# Altium PCB Reefing System Layout.PcbDoc (part 2 of 3)
Units mil, origin at the board's own origin, x right, y up, seen from the top; angles counter-clockwise.
Board outline 5531.5 x 3129.92 mil, 4 copper layers (Top Layer, Mid-Layer 1, Mid-Layer 2, Bottom Layer), stack 62.135 mil thick; 116 components, 90 nets, 494 pads, 985 vias.
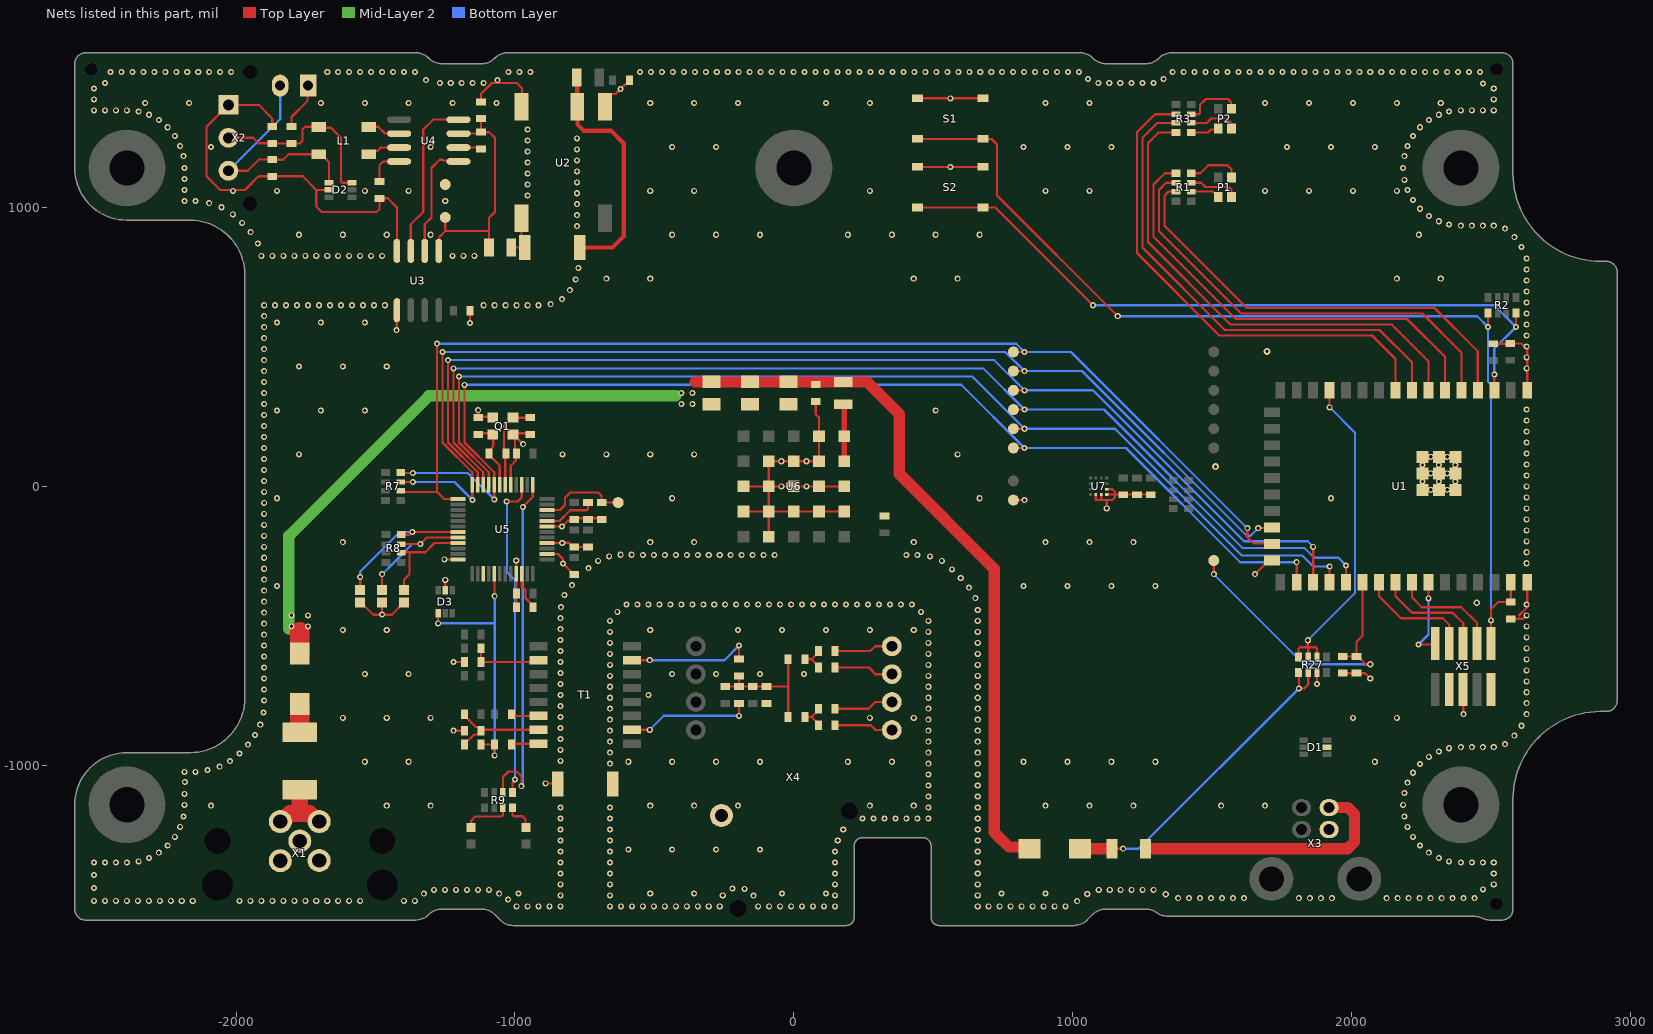
[diagram p4: the nets of this part, all layers, seen from the top]

## Via types
v1: diameter 21.65, hole 11.81, Top Layer to Bottom Layer, tented both sides, 902 vias
v2: diameter 24, hole 11.81, Top Layer to Bottom Layer, tented both sides, 80 vias
v3: diameter 24.41, hole 11.81, Top Layer to Bottom Layer, tented both sides, 3 vias

## Nets (pads, with @x,y where several pads share a name; then routed paths per layer and width w, separated by ;. In a path a pad name is that pad's centre, name@x,y a point inside that pad or via, vN(x,y) a via of type N, cw(c..) or ccw(c..) an arc to the next point about the centre after c; other vN are vias at no path point) (continued)
CAN_GND: C5.1 C6.1 C9.1 C11.1 D2.2 R6.2 TP15.1 U2.4 U3.4 U4.2 X2.1 | length 1914.5
  Top Layer w8: C5.1@-1870.08,1289.84 -1870.08,1318.9 -1919.29,1368.11 X2.1@-2027.56,1368.11 -2106.3,1289.37 -2106.3,1112.21 -2057.09,1062.99 -1968.5,1062.99 -1919.76,1111.73 C6.1@-1870.08,1111.73 -1761.34,1111.73 -1712.6,1062.99 ; D2.2@-1667.32,1062.99 -1712.6,1062.99 ; U3.4@-1423.43,844.49 -1423.43,1000.2 -1456.22,1032.99 R6.2@-1486.22,1032.99 -1486.22,994.1 -1496.06,984.25 -1692.91,984.25 -1712.6,1003.94 -1712.6,1062.99 ; U4.2@-1202.76,1215.16 -1127.05,1215.16 C11.1@-1122.05,1210.16 ; C9.1@-1122.05,1378.43 -1122.05,1407.48 -1082.68,1446.85 -994.09,1446.85 -974.41,1427.17 -974.41,1363.78 U2.4@-976.77,1361.42
  other v1: -1909.45,826.77 -1870.08,826.77 -1830.71,826.77 -1791.34,826.77 -1751.97,826.77 -1712.6,826.77 -1673.23,826.77 -1633.86,826.77 -1594.49,826.77 -1555.12,826.77 -1515.75,826.77 -1476.38,826.77 -1224.41,826.77 -1185.04,826.77 -1145.67,826.77 -1922.24,871.06 -1774.8,902.36 -1617.32,902.36 -1459.84,902.36 -1302.36,902.36 -1947.83,911.42 -1978.35,944.88 -2011.81,975.39 -2052.17,1000.98 -2096.46,1015.75 -2185.04,1023.62 -2145.67,1023.62 -1250,1023.62 -954.72,1043.31 -2011.02,1059.84 -1853.54,1059.84 -1538.58,1059.84 -1381.1,1059.84 -2185.04,1062.99 -954.72,1082.68 -2185.04,1102.36 -954.72,1122.05 -2185.04,1141.73 -954.72,1161.42 -2188.94,1183.99 -954.72,1200.79 -2089.76,1217.32 -1302.36,1217.32 -2200.77,1220.83 -954.72,1240.16 -2219.87,1256.56 -954.72,1279.53 -2245.58,1287.89 -2245.58,1287.89 -2276.9,1313.59 -2312.63,1332.69 -2349.48,1344.52 -2509.84,1348.43 -2470.47,1348.43 -2431.1,1348.43 -2391.73,1348.43 -2325.98,1374.8 -2168.5,1374.8 -1696.06,1374.8 -1538.58,1374.8 -1381.1,1374.8 -1223.62,1374.8 -1066.14,1374.8 -2509.84,1387.8 -2509.84,1427.17 -2470.47,1446.85 -1269.68,1446.85 -1230.31,1446.85 -1190.94,1446.85 -1151.57,1446.85 -1112.2,1446.85 -1318.9,1456.69 -1062.99,1456.69 -2450.79,1486.22 -2411.42,1486.22 -2372.05,1486.22 -2332.68,1486.22 -2293.31,1486.22 -2253.94,1486.22 -2214.57,1486.22 -2175.2,1486.22 -2135.83,1486.22 -2096.46,1486.22 -2057.09,1486.22 -2017.72,1486.22 -1673.23,1486.22 -1633.86,1486.22 -1594.49,1486.22 -1555.12,1486.22 -1515.75,1486.22 -1476.38,1486.22 -1437.01,1486.22 -1397.64,1486.22 -1358.27,1486.22 -1023.62,1486.22 -984.25,1486.22 -944.88,1486.22
CAN_VCC: C9.2 C11.2 L3.2 TP14.1 U3.1 U4.3 | length 878.2
  Top Layer w8: U3.1@-1273.43,844.49 -1272.56,845.35 -1272.56,892.79 -1250,915.36 ; TP14.1@-1250,964.57 -1250,915.36 ; U4.3@-1202.76,1265.16 -1127.05,1265.16 C11.2@-1122.05,1270.16 ; C9.2@-1122.05,1318.43 C11.2@-1122.05,1270.16 ; L3.2@-1093.15,856.3 -1093.15,915.36 ; -1250,915.36 -1093.15,915.36 ; C11.2@-1122.05,1270.16 -1121.57,1269.69 -1092.52,1269.69 -1071.87,1249.03 -1071.87,984.25 -1093.15,962.97 -1093.15,915.36
EGND: C26.1 C27.2 X4.9
  other v1: -659.45,-1505.91 -620.08,-1505.91 -580.71,-1505.91 -541.34,-1505.91 -501.97,-1505.91 -462.6,-1505.91 -423.23,-1505.91 -383.86,-1505.91 -344.49,-1505.91 -305.12,-1505.91 -265.75,-1505.91 -127.95,-1505.91 -88.58,-1505.91 -49.21,-1505.91 -9.84,-1505.91 29.53,-1505.91 68.9,-1505.91 108.27,-1505.91 147.64,-1505.91 -144.68,-1467.52 -659.45,-1466.54 -254.92,-1466.54 147.64,-1466.54 -514.96,-1459.84 -357.48,-1459.84 -42.52,-1459.84 114.96,-1459.84 -177.17,-1442.91 -220.47,-1441.93 -659.45,-1427.17 147.64,-1427.17 -659.45,-1387.8 147.64,-1387.8 -659.45,-1348.43 147.64,-1348.43 -659.45,-1309.06 147.64,-1309.06 -593.7,-1302.36 -436.22,-1302.36 -278.74,-1302.36 -121.26,-1302.36 -659.45,-1269.69 157.48,-1269.69 -659.45,-1230.32 177.17,-1230.32 -659.45,-1190.94 246.06,-1190.94 285.43,-1190.94 324.8,-1190.94 364.17,-1190.94 403.54,-1190.94 442.91,-1190.94 482.28,-1190.94 -659.45,-1151.57 482.28,-1151.57 -514.96,-1144.88 -357.48,-1144.88 -200,-1144.88 272.44,-1144.88 429.92,-1144.88 482.28,-1112.2 482.28,-1072.83 482.28,-1033.46 -659.45,-994.09 482.28,-994.09 -593.7,-987.4 -436.22,-987.4 -278.74,-987.4 -121.26,-987.4 193.7,-987.4 351.18,-987.4 -659.45,-954.72 482.28,-954.72 -659.45,-915.35 482.28,-915.35 -659.45,-875.98 482.28,-875.98 -659.45,-836.61 482.28,-836.61 272.44,-829.92 429.92,-829.92 -659.45,-797.24 482.28,-797.24 -659.45,-757.87 482.28,-757.87 -521.65,-748.03 -659.45,-718.5 482.28,-718.5 -659.45,-679.13 482.28,-679.13 -436.22,-672.44 -278.74,-672.44 -121.26,-672.44 36.22,-672.44 -659.45,-639.76 482.28,-639.76 -659.45,-600.39 482.28,-600.39 -659.45,-561.02 482.28,-561.02 -659.45,-521.65 482.28,-521.65 -514.96,-514.96 -200,-514.96 -42.52,-514.96 114.96,-514.96 272.44,-514.96 429.92,-514.96 -659.45,-482.28 482.28,-482.28 -632.87,-449.8 455.71,-449.8 -600.39,-423.23 -561.02,-423.23 -521.65,-423.23 -482.28,-423.23 -442.91,-423.23 -403.54,-423.23 -364.17,-423.23 -324.8,-423.23 -285.43,-423.23 -246.06,-423.23 -206.69,-423.23 -167.32,-423.23 -127.95,-423.23 -88.58,-423.23 -49.21,-423.23 -9.84,-423.23 29.53,-423.23 68.9,-423.23 108.27,-423.23 147.64,-423.23 187.01,-423.23 226.38,-423.23 265.75,-423.23 305.12,-423.23 344.49,-423.23 383.86,-423.23 423.23,-423.23
ETH_C\S\: R7.8 TP9.1 U1.28 U5.32 | length 4191.7
  Top Layer w8: R7.8@-1409.45,50.2 -1407.48,48.23 v1(-1366.14,48.23) ; v1(-1181.1,364.17) -1181.1,157.48 -1074.21,50.59 U5.32@-1074.21,5.99 -1074.02,5.79 -1074.02,-47.05 v1(-1073.82,-47.24) ; TP9.1@787.4,137.8 v1(826.77,137.8) ; U1.28@1803.15,-344.49 v1(1803.15,-271.65)
  Bottom Layer w8: v1(-1366.14,48.23) -1169.29,48.23 v1(-1073.82,-47.24) ; v1(-1181.1,364.17) 600.39,364.17 v1(826.77,137.8) 1190.95,137.8 1600.39,-271.65 v1(1803.15,-271.65)
ETH_I\N\T\: R7.7 TP7.1 U1.24 U5.36 | length 4158.3
  Top Layer w8: R7.7@-1409.45,15.75 v1(-1366.14,15.75) ; v1(-1259.84,482.28) -1259.84,157.48 -1152.95,50.59 U5.36@-1152.95,5.99 -1152.95,-47.83 v1(-1152.26,-48.52) ; TP7.1@787.4,413.39 v1(826.77,413.39) ; v1(1665.35,-149.61) 1712.6,-149.61 U1.24@1714.57,-147.64
  Bottom Layer w8: v1(-1366.14,15.75) -1216.54,15.75 v1(-1152.26,-48.52) ; v1(-1259.84,482.28) 757.87,482.28 v1(826.77,413.39) 1033.47,413.39 1624.02,-177.16 1637.8,-177.16 v1(1665.35,-149.61)
ETH_MISO: TP12.1 U1.31 U5.34 | length 4055.4
  Top Layer w8: v1(-1220.47,423.23) -1220.47,157.48 -1113.58,50.59 U5.34@-1113.58,5.99 ; TP12.1@787.4,275.59 v1(826.77,275.59) ; U1.31@1980.32,-344.49 v1(1980.32,-283.46)
  Bottom Layer w8: v1(-1220.47,423.23) 679.13,423.23 v1(826.77,275.59) 1112.2,275.59 1608.27,-220.47 1830.71,-220.47 1866.14,-255.9 1952.76,-255.9 v1(1980.32,-283.46)
ETH_MOSI: TP10.1 U1.29 U5.35 | length 4038
  Top Layer w8: v1(-1240.16,452.76) -1240.16,157.48 -1133.27,50.59 U5.35@-1133.27,5.99 ; TP10.1@787.4,344.49 v1(826.77,344.49) ; U1.29@1862.2,-344.49 v1(1862.2,-216.53)
  Bottom Layer w8: v1(-1240.16,452.76) 718.5,452.76 v1(826.77,344.49) 1072.83,344.49 1614.17,-196.85 1842.52,-196.85 v1(1862.2,-216.53)
ETH_R\S\T\: R7.6 TP8.1 U1.25 U5.37 | length 4108.4
  Top Layer w8: R7.6@-1409.45,-15.75 -1405.51,-19.68 -1279.53,-19.68 ; v1(-1279.53,511.81) -1279.53,-15.75 -1279.53,-19.68 ; U5.37@-1204.13,-45.2 -1254.02,-45.2 -1279.53,-19.68 ; TP8.1@787.4,482.28 v1@836.61,482.28 ; v1(1625.98,-149.61) 1625.98,-181.1 1649.61,-204.72 1712.6,-204.72 U1.25@1714.57,-206.69
  Bottom Layer w8: v1(-1279.53,511.81) 797.24,511.81 v1(826.77,482.28) 836.61,482.28 994.1,482.28 v1(1625.98,-149.61)
ETH_SCLK: TP11.1 U1.30 U5.33 | length 3932.6
  Top Layer w8: v1(-1200.79,393.7) -1200.79,157.48 -1093.9,50.59 U5.33@-1093.9,5.99 ; TP11.1@787.4,206.69 v1(826.77,206.69) ; U1.30@1921.26,-344.49 v1(1921.26,-287.4)
  Bottom Layer w8: v1(-1200.79,393.7) 639.76,393.7 v1(826.77,206.69) 1151.58,206.69 1606.3,-248.03 1822.83,-248.03 1862.2,-287.4 v1(1921.26,-287.4)
GND: C1.1 C2.1 C3.1 C4.1 C8.1 C10.1 C12.1 C13.1 C14.1 C15.1 C16.1 C17.1 C18.2 C19.2 C20.1 C21.1 C22.2 C24.2 C27.1 C28.1 C29.1 C30.1 C31.1 C32.1 C33.1 C34.1 C35.1 D1.2 D3.2 J2.1 J3.1 J4.1 Q1.3 R4.2 R11.1 R27.3 S1.2 S2.2 TP18.1 U1.1 U1.26 U1.42 U1.43 U2.1 U3.5 U5.3 U5.9 U5.14 U5.16 U5.19 U5.29 U5.48 U6.A3 U6.A4 U6.B1 U6.B2 U6.B3 U6.B4 U6.C2 U6.C3 U6.C4 U6.D2 U6.D3 U6.D4 U6.D5 U6.E3 U6.E4 U7.5 U7.6 U7.7 U7.8 X1.3 X1.4 X1.5 X3.4 X5.3 X5.5 X5.9 | length 5518.4
  Top Layer w8: J4.1@-1555.12,-415.7 -1541.4,-429.42 -1539.09,-429.42 -1508.5,-460 v1@-1475.73,-460 ; J3.1@-1480,-419.32 J3.1@-1476.38,-415.7 v1(-1476.38,-459.35) v1@-1475.73,-460 ; v1(-1425,560) -1424.21,560.79 -1424.21,631.1 U3.5@-1423.43,631.89 ; J2.1@-1397.64,-415.7 -1441.94,-460 v1@-1475.73,-460 ; v1@-1255,-260 v1(-1253.27,-261.73) U5.48@-1204.13,-261.73 ; D3.2@-1250,-372.05 v1@-1250,-335 ; v1(-1220.47,-875.98) C24.2@-1181.57,-875.98 ; v1(-1220.47,-629.92) C22.2@-1181.57,-629.92 ; v1(-1160.94,585.94) C10.1@-1160.94,629.92 ; C19.2@-1131.89,246.54 C19.2@-1131.89,250.08 ; v1(-1131.89,273.11) C19.2@-1131.89,250.08 ; Q1.3@-1078.15,250.08 C19.2@-1131.89,250.08 ; U5.29@-1015.16,5.99 -1015.16,74.05 -995.94,93.26 C16.1@-995.94,118.11 ; Q1.3@-1005.31,188.07 -1002.83,190.55 C18.2@-946.26,190.55 ; v1(-995.41,-265.41) -995.44,-312.88 -995.47,-432.16 R11.1@-994.57,-433.07 ; C16.1@-994.57,118.11 -1000,123.55 -1000,178.64 Q1.3@-1006.89,185.53 -1004.92,185.53 -995.94,176.55 -991.2,171.81 v1(-970.8,151.42) ; v1(-889.76,-1064.96) -848.43,-1064.96 C27.1@-846.46,-1066.93 ; U5.14@-885.24,-242.05 -846.1,-242.05 -827.83,-260.31 v1(-827.83,-276.31) -802.12,-302.03 -802.12,-302.92 -793.62,-311.42 C14.1@-788.62,-311.42 ; U5.16@-885.24,-202.68 v1(-830.47,-202.68) -829.8,-202 -807.41,-202 -792.4,-217.01 C12.1@-787.4,-217.01 C13.1@-738.19,-217.01 C13.1@-736.18,-215 ; U5.19@-885.24,-143.62 v1(-831.14,-143.62) -810.59,-123.07 -797.12,-123.07 -788.62,-114.57 C21.1@-690.2,-114.57 ; U2.1@-676.77,1361.42 -676.77,1386.42 -655.77,1407.42 -639.35,1407.42 v1(-621.47,1425.31) -603.58,1443.19 -598.58,1443.19 -590.08,1451.69 C8.1@-590.08,1456.69 ; U6.E4@-180.31,-90.16 U6.D4@-90.16,-90.16 ; U6.E3@-180.31,0 U6.D3@-90.16,0 ; U6.D5@-90.16,-180.31 U6.D4@-90.16,-90.16 ; C31.1@78.74,304.64 78.74,258.86 90.16,247.44 U6.B1@90.16,180.32 U6.B2@90.16,90.16 v1(45.08,90.16) U6.C2@0,90.16 v1(-45.08,90.16) U6.D2@-90.16,90.16 U6.D3@-90.16,0 ; U6.A4@180.32,-90.16 U6.B4@90.16,-90.16 U6.C4@0,-90.16 U6.D4@-90.16,-90.16 ; U6.A3@180.32,0 U6.B3@90.16,0 v1(45.08,0) U6.C3@0,0 v1(-45.08,0) U6.D3@-90.16,0 ; S2.2@442.91,1145.67 S2.2@679.13,1145.67 ; S1.2@442.91,1391.73 S1.2@679.13,1391.73 ; TP18.1@787.4,-49.21 v1(826.77,-49.21) ; U7.5@1082.68,-29.53 1082.68,-49.21 1102.36,-49.21 ; U7.6@1102.36,-29.53 1102.36,-49.21 ; v1(1122.05,-78.74) 1122.05,-49.21 ; U7.7@1122.05,-29.53 1151.57,-29.53 ; U7.8@1122.05,-9.84 1141.73,-9.84 1151.57,-19.68 1151.57,-29.53 ; C34.1@1279.53,-30 1279.06,-29.53 1151.57,-29.53 ; v1(1653.55,-314.96) 1702.76,-265.75 U1.26@1714.57,-265.75 ; v1(1875.98,-708.91) R27.3@1875.98,-667.32 ; C3.1@1968.5,-669.76 R4.2@2017.72,-669.76 2047.72,-669.76 v1(2066.93,-688.98) ; X5.5@2400,-728.35 2400,-815.35 v1(2401.57,-816.93) ; C1.1@2507.67,511.46 2568.07,511.46 C2.1@2568.9,512.28 2608.27,512.28 2629.92,490.63 U1.1@2629.92,344.49 ; C4.1@2570.87,-474.88 2615.06,-474.88 2627.35,-462.6 v1(2627.95,-462.6) ; 2600.61,-463.07 2629.92,-433.76 U1.42@2629.92,-344.49 ; U6.D4@-90.16,-90.16 U6.D3@-90.16,0 ; 1102.36,-49.21 1122.05,-49.21 ; 1122.05,-49.21 1141.73,-49.21 1151.57,-39.37 1151.57,-29.53 ; U1.43@2253.94,46.85 U1.43@2253.94,17.32 U1.43@2253.94,-12.2 U1.43@2283.46,-12.2 U1.43@2312.99,-12.2 ; U1.43@2253.94,46.85 U1.43@2253.94,76.38 U1.43@2253.94,105.91 U1.43@2283.46,105.91 U1.43@2312.99,105.91 ; U1.43@2253.94,46.85 U1.43@2283.46,46.85 U1.43@2312.99,46.85 ; U1.43@2312.99,-12.2 U1.43@2312.99,17.32 U1.43@2312.99,46.85 ; U1.43@2312.99,-12.2 U1.43@2342.52,-12.2 U1.43@2372.05,-12.2 U1.43@2372.05,17.32 U1.43@2372.05,46.85 ; U1.43@2312.99,46.85 U1.43@2312.99,76.38 U1.43@2312.99,105.91 ; U1.43@2312.99,46.85 U1.43@2342.52,46.85 U1.43@2372.05,46.85 ; U1.43@2312.99,105.91 U1.43@2342.52,105.91 U1.43@2372.05,105.91 U1.43@2372.05,76.38 U1.43@2372.05,46.85
  other v1: -994.09,-1505.91 -954.72,-1505.91 -915.35,-1505.91 -875.98,-1505.91 -836.61,-1505.91 659.45,-1505.91 698.82,-1505.91 738.19,-1505.91 777.56,-1505.91 816.93,-1505.91 856.3,-1505.91 895.67,-1505.91 935.04,-1505.91 974.41,-1505.91 1015.75,-1487.2 -2509.84,-1486.22 -2470.47,-1486.22 -2431.1,-1486.22 -2391.73,-1486.22 -2352.36,-1486.22 -2312.99,-1486.22 -2273.62,-1486.22 -2234.25,-1486.22 -2194.88,-1486.22 -2155.51,-1486.22 -1988.19,-1486.22 -1948.82,-1486.22 -1909.45,-1486.22 -1870.08,-1486.22 -1830.71,-1486.22 -1791.34,-1486.22 -1751.97,-1486.22 -1712.6,-1486.22 -1673.23,-1486.22 -1633.86,-1486.22 -1594.49,-1486.22 -1555.12,-1486.22 -1398.48,-1486.22 -1359.11,-1486.22 -1024.61,-1481.3 1377.95,-1476.38 1417.32,-1476.38 1456.69,-1476.38 1496.06,-1476.38 1535.43,-1476.38 1574.8,-1476.38 1614.17,-1476.38 1811.02,-1476.38 1850.39,-1476.38 1889.76,-1476.38 1929.13,-1476.38 2125.98,-1476.38 2165.35,-1476.38 2204.72,-1476.38 2244.09,-1476.38 2283.46,-1476.38 2322.83,-1476.38 2362.2,-1476.38 2401.57,-1476.38 2440.94,-1476.38 -836.61,-1466.54 659.45,-1466.54 1333.66,-1462.6 1052.17,-1461.61 -1326.77,-1460.63 -1056.81,-1460.63 -987.4,-1459.84 744.88,-1459.84 902.36,-1459.84 -1290.21,-1446.85 -1250.84,-1446.85 -1211.47,-1446.85 -1172.1,-1446.85 -1132.73,-1446.85 -1093.36,-1446.85 1093.36,-1446.85 1132.73,-1446.85 1172.1,-1446.85 1211.47,-1446.85 1250.84,-1446.85 1290.21,-1446.85 2471.46,-1444.88 -2509.84,-1439.96 -836.61,-1427.17 659.45,-1427.17 2509.84,-1427.17 -2509.84,-1393.7 -836.61,-1387.8 659.45,-1387.8 2509.84,-1387.8 -2509.84,-1348.43 -2470.47,-1348.43 -2431.1,-1348.43 -2391.73,-1348.43 -836.61,-1348.43 659.45,-1348.43 2391.73,-1348.43 2431.1,-1348.43 2470.47,-1348.43 2509.84,-1348.43 -2349.48,-1344.52 2349.48,-1344.52 -2312.63,-1332.69 2312.63,-1332.69 -2276.9,-1313.59 2276.9,-1313.59 -836.61,-1309.06 659.45,-1309.06 -2245.58,-1287.89 -2245.58,-1287.89 2245.58,-1287.89 2245.58,-1287.89 -836.61,-1269.69 659.45,-1269.69 -2219.87,-1256.56 2219.87,-1256.56 -836.61,-1230.32 659.45,-1230.32 -2200.77,-1220.83 2200.77,-1220.83 -836.61,-1190.94 659.45,-1190.94 -2188.94,-1183.99 2188.94,-1183.99 -836.61,-1151.57 659.45,-1151.57 -2089.76,-1144.88 -1459.84,-1144.88 -1302.36,-1144.88 902.36,-1144.88 1059.84,-1144.88 1217.32,-1144.88 1532.28,-1144.88 1689.76,-1144.88 -2185.04,-1141.73 2185.04,-1141.73 659.45,-1112.2 -2185.04,-1102.36 2188.94,-1099.48 659.45,-1072.83 2200.77,-1062.64 -2183.93,-1060.37 659.45,-1033.46 2219.87,-1026.9 -2185.04,-1023.62 -2145.67,-1023.62 -2102.36,-1016.73 -2059.06,-1004.92 2245.58,-995.58 2245.58,-995.58 659.45,-994.09 -1538.58,-987.4 -1381.1,-987.4 823.62,-987.4 981.1,-987.4 1138.58,-987.4 1296.06,-987.4 2083.46,-987.4 -2021.65,-985.24 -836.61,-984.25 2276.9,-969.87 -1988.19,-957.68 659.45,-954.72 2312.63,-950.77 -836.61,-944.88 2349.48,-938.94 2391.73,-935.04 2431.1,-935.04 2470.47,-935.04 2509.84,-935.04 -1957.68,-926.18 2550.2,-924.21 659.45,-915.35 -836.61,-905.51 2583.66,-893.7 -1932.09,-891.73 659.45,-875.98 -836.61,-866.14 2609.25,-858.27 -1913.39,-854.33 659.45,-836.61 -1617.32,-829.92 -1459.84,-829.92 -1302.36,-829.92 2004.72,-829.92 2162.2,-829.92 -836.61,-826.77 2627.95,-816.93 -1901.57,-811.02 659.45,-797.24 -836.61,-787.4 2627.95,-777.56 -1899.61,-767.72 659.45,-757.87 -836.61,-748.03 2627.95,-738.19 -1899.61,-728.35 659.45,-718.5 -836.61,-708.66 2627.95,-698.82 -1899.61,-688.98 659.45,-679.13 -1538.58,-672.44 -1381.1,-672.44 -836.61,-669.29 2627.95,-659.45 -1899.61,-649.61 659.45,-639.76 -836.61,-629.92 2627.95,-620.08 -1899.61,-610.24 659.45,-600.39 -836.61,-590.55 2627.95,-580.71 -1899.61,-570.87 659.45,-561.02 -836.61,-551.18 2627.95,-541.34 -1899.61,-531.5 659.45,-521.65 -1617.32,-514.96 -1459.84,-514.96 -836.61,-511.81 2627.95,-501.97 -1899.61,-492.13 659.45,-482.28 -836.61,-472.44 -1899.61,-452.76 659.45,-442.91 -834.65,-433.07 2627.95,-423.23 -1899.61,-413.39 650.59,-400.59 -822.83,-389.76 -1899.61,-374.02 627.95,-363.19 -1853.54,-357.48 823.62,-357.48 981.1,-357.48 1138.58,-357.48 1296.06,-357.48 -795.28,-354.33 -1250,-335 -1899.61,-334.65 598.43,-328.74 566.93,-297.24 -1899.61,-295.28 -736.23,-293.32 2627.95,-275.59 -701.77,-266.73 530.51,-266.73 -1899.61,-255.91 -662.4,-250.98 488.19,-250.98 -541.34,-246.06 -501.97,-246.06 -462.6,-246.06 -423.23,-246.06 -383.86,-246.06 -344.49,-246.06 -305.12,-246.06 -265.75,-246.06 -226.38,-246.06 -187.01,-246.06 -147.64,-246.06 -108.27,-246.06 -68.9,-246.06 403.54,-246.06 442.91,-246.06 -621.06,-245.08 -581.69,-245.08 2627.95,-236.22 -1899.61,-216.54 -1617.32,-200 -514.96,-200 -357.48,-200 429.92,-200 902.36,-200 1059.84,-200 1217.32,-200 2627.95,-196.85 -1899.61,-177.17 2627.95,-157.48 -1899.61,-137.8 2627.95,-118.11 -1899.61,-98.43 2627.95,-78.74 -1899.61,-59.06 -1853.54,-42.52 -436.22,-42.52 666.14,-42.52 1925.98,-42.52 2627.95,-39.37 -1899.61,-19.69 2627.95,0 -1899.61,19.68 2627.95,39.37 -1899.61,59.05 2627.95,78.74 -1899.61,98.42 -1774.8,114.96 -829.92,114.96 -672.44,114.96 -514.96,114.96 -357.48,114.96 587.4,114.96 2627.95,118.11 -1899.61,137.8 2627.95,157.48 -1899.61,177.17 2627.95,196.85 -1899.61,216.54 2627.95,236.22 -1899.61,255.91 -1853.54,272.44 -1696.06,272.44 -1538.58,272.44 508.66,272.44 2627.95,275.59 -1899.61,295.28 -1899.61,334.65 -1899.61,374.02 -1899.61,413.39 2627.95,423.23 -1774.8,429.92 -1617.32,429.92 -1459.84,429.92 -1899.61,452.76 2627.95,462.6 -1899.61,492.13 2627.95,501.97 -1899.61,531.5 2627.95,541.34 -1899.61,570.87 2627.95,580.71 -1853.54,587.4 -1696.06,587.4 -1538.58,587.4 -1899.61,610.24 2627.95,620.08 -1899.61,649.61 -1860.24,649.61 -1820.87,649.61 -1781.5,649.61 -1742.13,649.61 -1702.76,649.61 -1663.39,649.61 -1624.02,649.61 -1584.65,649.61 -1545.28,649.61 -1505.91,649.61 -1466.54,649.61 -1112.2,649.61 -1072.83,649.61 -1033.46,649.61 -994.09,649.61 -954.72,649.61 -915.35,649.61 -872.05,653.54 2627.95,659.45 -831.69,671.26 2627.95,698.82 -803.15,703.74 2627.95,738.19 -782.48,742.13 -672.44,744.88 -514.96,744.88 429.92,744.88 587.4,744.88 2162.2,744.88 2319.68,744.88 2627.95,777.56 -772.64,783.46 2627.95,816.93 2609.25,858.27 2583.66,893.7 -436.22,902.36 -278.74,902.36 -121.26,902.36 193.7,902.36 351.18,902.36 508.66,902.36 666.14,902.36 2240.94,902.36 2550.2,924.21 -777.56,933.07 2391.73,935.04 2431.1,935.04 2470.47,935.04 2509.84,935.04 2349.48,938.94 2312.63,950.77 2276.9,969.87 -777.56,972.44 2245.58,995.58 2245.58,995.58 -777.56,1011.81 2219.87,1026.9 -777.56,1051.18 -514.96,1059.84 -357.48,1059.84 272.44,1059.84 902.36,1059.84 1059.84,1059.84 1689.76,1059.84 1847.24,1059.84 2004.72,1059.84 2162.2,1059.84 2200.77,1062.63 -777.56,1090.55 2188.94,1099.48 -777.56,1129.92 2185.04,1141.73 561.02,1145.67 -777.56,1169.29 2188.94,1183.98 -777.56,1208.66 -436.22,1217.32 -278.74,1217.32 823.62,1217.32 981.1,1217.32 1138.58,1217.32 1768.5,1217.32 1925.98,1217.32 2083.46,1217.32 2200.77,1220.83 -777.56,1248.03 2219.87,1256.56 2245.58,1287.88 2245.58,1287.88 2276.9,1313.59 2312.63,1332.69 2349.48,1344.52 2391.73,1348.42 2431.1,1348.42 2470.47,1348.42 2509.84,1348.42 -514.96,1374.8 -357.48,1374.8 -200,1374.8 114.96,1374.8 272.44,1374.8 902.36,1374.8 1059.84,1374.8 1689.76,1374.8 1847.24,1374.8 2004.72,1374.8 2162.2,1374.8 2319.68,1374.8 2509.84,1387.79 561.02,1391.73 2509.84,1427.16 2471.46,1444.88 1091.68,1446.85 1131.05,1446.85 1170.42,1446.85 1210.63,1446.85 1250,1446.85 1289.37,1446.85 1055.12,1460.63 1325.93,1460.63 -552.03,1486.22 -512.66,1486.22 -473.29,1486.22 -433.92,1486.22 -394.55,1486.22 -355.17,1486.22 -315.8,1486.22 -276.43,1486.22 -237.06,1486.22 -197.69,1486.22 -158.32,1486.22 -118.95,1486.22 -79.58,1486.22 -40.21,1486.22 -0.84,1486.22 38.53,1486.22 77.9,1486.22 117.27,1486.22 156.64,1486.22 196.01,1486.22 235.38,1486.22 274.75,1486.22 314.12,1486.22 353.49,1486.22 392.86,1486.22 432.23,1486.22 471.6,1486.22 510.97,1486.22 550.34,1486.22 589.71,1486.22 629.08,1486.22 668.45,1486.22 707.82,1486.22 747.19,1486.22 786.56,1486.22 825.93,1486.22 865.3,1486.22 904.67,1486.22 944.04,1486.22 983.41,1486.22 1022.78,1486.22 1358.27,1486.22 1397.64,1486.22 1437.01,1486.22 1476.38,1486.22 1515.75,1486.22 1555.12,1486.22 1594.49,1486.22 1633.86,1486.22 1673.23,1486.22 1712.6,1486.22 1751.97,1486.22 1791.34,1486.22 1830.71,1486.22 1870.08,1486.22 1909.45,1486.22 1948.82,1486.22 1988.19,1486.22 2027.56,1486.22 2066.93,1486.22 2106.3,1486.22 2145.67,1486.22 2185.04,1486.22 2224.41,1486.22 2263.78,1486.22 2303.15,1486.22 2342.52,1486.22 2381.89,1486.22 2421.26,1486.22 2460.63,1486.22
  other v3: 2448.82,-417.32 1511.81,70.87 1696.85,484.25
JTAG_NRST: C4.2 R2.5 S1.1 U1.41 X5.10 | length 3813.7
  Top Layer w8: S1.1@442.91,1246.06 S1.1@679.13,1246.06 708.66,1246.06 728.35,1226.38 728.35,1043.31 v1(1161.42,610.24) ; v1(2489.17,571.85) R2.5@2489.17,622.05 ; X5.10@2500,-562.99 v1(2500,-480.31) 2500,-440.94 2526.06,-414.88 C4.2@2570.87,-414.88 U1.41@2570.87,-344.49
  Bottom Layer w8: v1(1161.42,610.24) 2450.79,610.24 v1(2489.17,571.85) 2489.17,375 2500,364.17 v1(2500,-480.31)
JTAG_TCLK: U1.33 X5.4 | length 410.3
  Top Layer w8: U1.33@2098.43,-344.49 2098.43,-393.7 2177.17,-472.44 2326.77,-472.44 2350,-495.67 X5.4@2350,-562.99
JTAG_TDI: U1.35 X5.8 | length 398.2
  Top Layer w8: U1.35@2216.54,-344.49 2216.54,-397.64 2251.97,-433.07 2393.7,-433.07 2450,-489.37 X5.8@2450,-562.99
JTAG_TDO: U1.34 X5.6 | length 404.3
  Top Layer w8: U1.34@2157.48,-344.49 2157.48,-393.7 2216.54,-452.75 2362.2,-452.75 2400,-490.55 X5.6@2400,-562.99
JTAG_TMS: U1.36 X5.2 | length 298.6
  Top Layer w8: v1(2240.16,-566.93) 2296.06,-566.93 X5.2@2300,-562.99 ; v1(2275.59,-401.57) U1.36@2275.59,-344.49
  Bottom Layer w8: v1(2240.16,-566.93) 2275.59,-531.5 v1(2275.59,-401.57)
NetC3_2: C3.2 R4.1 TP13.1 U1.32 | length 1128.2
  Top Layer w8: v1(1505.91,-314.96) TP13.1@1505.91,-265.75 ; C3.2@1968.5,-609.76 R4.1@2017.72,-609.76 ; U1.32@2039.37,-344.49 2039.37,-535.43 2017.72,-557.09 R4.1@2017.72,-609.76 ; v1(2066.93,-637.79) 2050.75,-637.79 2022.72,-609.76 R4.1@2017.72,-609.76
  Bottom Layer w8: v1(1505.91,-314.96) 1828.74,-637.79 v1(2066.93,-637.79)
NetC5_2: C5.2 D2.6 L1.2 R5.2 X2.2 | length 674
  Top Layer w8: X2.2@-2027.56,1250 -1938.98,1250 -1919.29,1230.31 -1870.55,1230.31 C5.2@-1870.08,1229.84 R5.2@-1801.18,1229.84 -1772.13,1229.84 -1761.81,1240.16 -1761.81,1279.53 -1751.97,1289.37 L1.2@-1703.74,1289.37 -1700.36,1285.99 -1660.01,1285.99 -1624.02,1250 -1624.02,1093.27 -1619.33,1088.58 D2.6@-1584.65,1088.58
NetC6_2: C6.2 D2.1 J1.2 L1.3 X2.3 | length 853.2
  Top Layer w8: X2.3@-2027.56,1131.89 -1958.66,1131.89 -1918.82,1171.73 C6.2@-1870.08,1171.73 -1869.61,1171.26 -1830.71,1171.26 -1811.02,1190.95 L1.3@-1703.74,1190.95 -1690.02,1177.23 -1681.15,1177.23 -1667.32,1163.4 D2.1@-1667.32,1088.58
  Bottom Layer w8: X2.3@-2027.56,1131.89 -1842.13,1317.32 J1.2@-1842.13,1437.01
NetC7_1: C7.1 L2.2 U2.2 | length 871.9
  Top Layer w15: L2.2@-778.19,1466.54 -776.77,1465.12 U2.2@-776.77,1361.42 -776.15,1360.79 -776.15,1297.7 -754.04,1275.59 -655.51,1275.59 -610.24,1230.31 -610.24,895.67 -649.61,856.3 C7.1@-767.72,856.3
NetC7_2: C7.2 L3.1 U2.5 | length 174.9
  Top Layer w8: L3.1@-1013.15,856.3 C7.2@-964.57,856.3 -976.77,868.5 U2.5@-976.77,961.42 U2.5@-988.19,950
NetC18_1: C18.1 Q1.1 R10.1 U5.30 | length 321.2
  Top Layer w8: U5.30@-1034.84,5.99 -1034.84,116.26 R10.1@-1032.99,118.11 ; R10.1@-1034.84,118.11 -1039.37,122.64 -1039.37,217.03 -1008.86,247.54 -1007.85,246.54 C18.1@-944.88,246.54
NetC19_1: C19.1 Q1.2 R10.2 U5.31 | length 260.9
  Top Layer w8: C19.1@-1133.27,190.55 -1080.63,190.55 -1078.15,188.07 -1078.15,143.35 -1094.37,127.13 R10.2@-1094.37,118.11 ; R10.2@-1092.99,118.11 -1092.99,113.11 -1054.53,74.65 U5.31@-1054.53,5.99
NetC20_2: C20.2 U5.20 | length 189.8
  Top Layer w8: U5.20@-885.24,-123.94 -840.47,-123.94 -801.85,-85.31 -742.52,-85.31 -737.83,-80.63 C20.2@-737.83,-56.14
NetC21_2: C21.2 TP16.1 U5.22 | length 321.6
  Top Layer w8: U5.22@-885.24,-84.57 -838.57,-84.57 -821,-67 -821,-41 -802.31,-22.31 -700.83,-22.31 -689.83,-33.31 -689.83,-54.2 C21.2@-690.2,-54.57 ; C21.2@-688.98,-58.58 -688.39,-58 TP16.1@-630,-58
NetC22_1: C22.1 R14.1 T1.2 | length 258.1
  Top Layer w8: R14.1@-1121.57,-580.71 C22.1@-1121.57,-629.92 -922.44,-629.92 T1.2@-915.55,-623.03
NetC23_2: C23.2 T1.6 | length 100.7
  Top Layer w8: C23.2@-1015,-820 -1011.97,-823.03 T1.6@-915.55,-823.03
NetC24_1: C24.1 R20.1 R24.2 T1.7 | length 383.8
  Top Layer w8: R24.2@-1181.57,-925.2 -1181.57,-920.2 -1173.07,-911.7 -1168.07,-911.7 -1145.86,-889.48 -1130.07,-889.48 -1121.57,-880.98 C24.1@-1121.57,-875.98 ; R20.1@-1181.57,-816.93 -1181.57,-821.93 -1141.02,-862.48 -1130.07,-862.48 -1121.57,-870.98 C24.1@-1121.57,-875.98 ; T1.7@-915.55,-873.03 -1118.62,-873.03 C24.1@-1121.57,-875.98
NetC25_2: C25.2 T1.8 | length 97.5
  Top Layer w8: C25.2@-1013.03,-923.03 T1.8@-915.55,-923.03
NetC26_2: C26.2 R16.2 R18.1 R19.1 R22.2 R25.2 R26.2 | length 473.3
  Top Layer w8: R19.1@-246.06,-718.03 R25.2@-196.85,-718.03 ; R18.1@-196.85,-679.61 R25.2@-196.85,-718.03 ; -21.4,-718.03 -22.64,-718.03 ; R16.2@-20.16,-826.77 -20.16,-715.55 ; R22.2@-20.16,-620.08 -20.16,-715.55 ; R25.2@-196.85,-718.03 R26.2@-147.64,-718.03 C26.2@-98.43,-718.03 -22.64,-718.03 ; -22.64,-718.03 -20.16,-715.55
NetC28_2: C28.2 C29.2 C30.2 C31.2 D4.K D5.K L4.1 | length 4578.5
  Top Layer w40: -354.33,374.65 C30.2@-295.28,374.65 L4.1@177.16,374.65 263.15,374.65 377.95,259.84 377.95,45.28 718.5,-295.28 718.5,-1240.16 771.2,-1292.85 838.12,-1292.85 D5.K@844.49,-1299.21
  Top Layer w70: D4.K@-1771.65,-598.42 -1771.65,-521.65
  Mid-Layer 2 w40: -1811.02,-511.81 -1811.02,-177.16 -1309.06,324.8 -423.23,324.8
  other v1: -1801.51,-501.64 -1742.45,-501.64 -1801.51,-462.27 -1742.45,-462.27 -403.54,295.28 -364.17,295.28 -403.54,334.65 -364.17,334.65
NetD4_A: D4.A F1.2 | length 101.8
  Top Layer w70: F1.2@-1771.65,-881.3 D4.A@-1771.65,-779.53
NetD5_A: D5.A F2.2 R27.1 R27.2 | length 1163.5
  Top Layer w8: D5.A@1025.59,-1299.21 D5.A@1062.99,-1299.21 ; F2.2@1140.79,-1299.21 v1(1181.1,-1299.21) ; R27.1@1810.04,-667.32 1811.02,-668.31 v1(1811.02,-724.41) 1830.71,-724.41 1844.49,-710.63 R27.2@1844.49,-667.32
  Top Layer w40: D5.A@1062.99,-1299.21 F2.2@1140.79,-1299.21
  Bottom Layer w8: v1(1181.1,-1299.21) 1236.22,-1299.21 v1(1811.02,-724.41)
NetF1_1: F1.1 X1.1 X1.2 | length 249.2
  Top Layer w60: X1.1@-1841.34,-1201.97 -1835.2,-1201.97 -1806.4,-1173.17 -1771.65,-1173.17 ; F1.1@-1771.65,-1087.2 -1771.65,-1173.17 ; X1.2@-1701.97,-1201.97 -1708.1,-1201.97 -1736.9,-1173.17 -1771.65,-1173.17
NetF2_1: F2.1 X3.1 | length 959.8
  Top Layer w40: F2.1@1260.79,-1299.21 1457.64,-1299.21 1789.37,-1299.21 1986.22,-1299.21 2009.84,-1275.59 2009.84,-1175.01 1986.41,-1151.57 1919.69,-1151.57 X3.1@1919.29,-1151.97
NetJ1_1: J1.1 R5.1 | length 181.2
  Top Layer w8: R5.1@-1801.18,1289.84 -1801.18,1324.8 -1744.43,1381.56 -1744.43,1411.48 J1.1@-1718.9,1437.01
NetJ2_2: J2.2 R8.6 U5.45 | length 361.7
  Top Layer w8: R8.6@-1407.48,-238.19 -1405.51,-236.22 -1377.95,-236.22 ; J2.2@-1397.64,-371.7 -1397.64,-334.64 -1377.95,-314.96 -1377.95,-236.22 ; U5.45@-1204.13,-202.68 -1288.31,-202.68 -1321.85,-236.22 -1377.95,-236.22
NetJ3_2: J3.2 R8.7 U5.44 | length 451.6
  Top Layer w8: J3.2@-1476.38,-371.7 v1(-1476.38,-314.96) ; R8.7@-1407.48,-206.69 v1(-1339.57,-206.69) -1315.94,-183.07 -1204.21,-183.07 U5.44@-1204.13,-182.99
  Bottom Layer w8: v1(-1476.38,-314.96) -1437.67,-276.26 -1368.11,-206.69 v1(-1339.57,-206.69)
NetJ4_2: J4.2 R8.8 U5.43 | length 523
  Top Layer w8: J4.2@-1555.12,-371.7 v1(-1555.12,-324.8) ; R8.8@-1407.48,-172.24 -1406.5,-173.23 -1377.95,-173.23 v1(-1368.03,-163.31) U5.43@-1204.13,-163.31
  Bottom Layer w8: v1@-1555.12,-327.56 -1555.12,-305.12 -1413.31,-163.31 v1(-1368.03,-163.31)
NetL1_1: L1.1 U4.6 | length 95.5
  Top Layer w8: L1.1@-1500.49,1289.37 -1490.15,1289.37 -1465.94,1265.16 U4.6@-1415.35,1265.16 ; U4.6@-1415.35,1260.47 U4.6@-1415.04,1260.47
NetL1_4: L1.4 U4.7 | length 95.8
  Top Layer w8: L1.4@-1504.92,1200.84 -1502.03,1203.73 -1492.13,1203.73 -1480.71,1215.16 U4.7@-1415.35,1215.16 ; U4.7@-1415.35,1210.47 U4.7@-1415.04,1210.47
NetL4_2: L4.2 U6.A1 U6.A2 | length 204.5
  Top Layer w20: U6.A2@180.32,90.16 U6.A1@180.32,180.32 L4.2@180.32,294.65
NetP1_1: P1.1 R1.6 | length 105.8
  Top Layer w8: R1.6@1425.2,1057.09 1501.97,1057.09 1507.94,1051.12 1509.9,1051.12 1521.65,1039.37 P1.1@1521.65,1037.4
NetP1_2: P1.2 R1.7 | length 181.1
  Top Layer w8: R1.7@1425.2,1088.58 1460.63,1088.58 1475.84,1073.37 1560.54,1073.37 1568.9,1065.01 P1.2@1568.9,1037.4
NetP1_3: P1.3 R1.8 | length 195.5
  Top Layer w8: R1.8@1425.2,1123.03 1457.68,1123.03 1486.22,1151.57 1555.12,1151.57 1568.9,1137.8 P1.3@1568.9,1108.27 P1.3@1565.54,1111.63
NetP2_1: P2.1 R3.5 | length 102.6
  Top Layer w8: R3.5@1425.2,1268.7 1485.24,1268.7 1496.06,1279.53 1517.72,1279.53 P2.1@1521.65,1283.46
NetP2_2: P2.2 R3.6 | length 177.6
  Top Layer w8: R3.6@1425.2,1303.15 1480.31,1303.15 1496.06,1318.9 1555.12,1318.9 1564.96,1309.06 1564.96,1287.4 P2.2@1568.9,1283.46
NetP2_3: P2.3 R3.7 | length 211
  Top Layer w8: R3.7@1425.2,1334.65 1452.01,1334.64 1456.69,1339.33 1456.69,1355.53 1456.69,1368.11 1477.95,1389.37 1490.54,1389.37 1556.54,1389.37 1567.54,1378.37 1567.54,1355.69 P2.3@1568.9,1354.33
NetP3_K: P3.K R9.8 | length 109.1
  Top Layer w8: R9.8@-1008.86,-1152.56 -1008.86,-1177.99 -1004.17,-1182.68 -973.05,-1182.68 -962.05,-1193.68 -962.05,-1222 P3.K@-960.63,-1223.42
NetP4_K: P4.K R9.7 | length 172.8
  Top Layer w8: P4.K@-1157.48,-1223.42 -1157.05,-1223 -1157.05,-1198.68 -1142.43,-1184.05 -1049.21,-1184.05 -1043.31,-1178.15 R9.7@-1043.31,-1152.56
NetR1_1: R1.1 U1.6 | length 1628.4
  Top Layer w8: R1.1@1370.08,1123.03 1329.72,1123.03 1289.37,1082.68 1289.37,895.67 1584.65,600.39 2198.82,600.39 2334.65,464.57 U1.6@2334.65,344.49
NetR1_2: R1.2 U1.5 | length 1619.9
  Top Layer w8: R1.2@1370.08,1088.58 1334.65,1088.58 1309.06,1062.99 1309.06,915.35 1604.33,620.08 2253.94,620.08 2393.7,480.32 U1.5@2393.7,344.49
NetR1_3: R1.3 U1.4 | length 1605.4
  Top Layer w8: R1.3@1370.08,1057.09 1343.27,1057.09 1328.74,1042.56 1328.74,935.04 1624.02,639.76 2297.24,639.76 2452.76,484.25 U1.4@2452.76,344.49
NetR2_8: R2.8 S2.1 U1.3 | length 2633.8
  Top Layer w8: S2.1@442.91,1000 S2.1@679.13,1000 722.44,1000 v1(1072.83,649.61) ; U1.3@2511.81,344.49 v1(2511.81,401.57) ; v1(2589.57,571.85) R2.8@2589.57,622.05
  Bottom Layer w8: v1(1072.83,649.61) 2511.81,649.61 v1(2589.57,571.85) 2511.81,494.1 v1(2511.81,401.57)
NetR3_2: R3.2 U1.9 | length 1796.5
  Top Layer w8: R3.2@1370.08,1334.65 1295.27,1334.64 1230.32,1269.69 1230.32,836.61 1525.59,541.34 2072.83,541.34 2157.48,456.69 U1.9@2157.48,344.49
NetR3_3: R3.3 U1.8 | length 1773.1
  Top Layer w8: R3.3@1370.08,1303.15 1303.15,1303.15 1250,1250 1250,856.3 1545.28,561.02 2100.39,561.02 2216.54,444.88 U1.8@2216.54,344.49
NetR3_4: R3.4 U1.7 | length 1757.8
  Top Layer w8: R3.4@1370.08,1268.7 1308.07,1268.7 1269.69,1230.31 1269.69,875.98 1564.96,580.71 2143.7,580.71 2275.59,448.82 U1.7@2275.59,344.49
NetR6_1: R6.1 U4.8 | length 135.1
  Top Layer w8: R6.1@-1486.22,1092.99 -1486.22,1151.58 -1472.64,1165.16 U4.8@-1415.35,1165.16
NetR9_1: R9.1 U5.27 | length 1168
  Top Layer w8: v1(-1030,-54) -990,-54 -976,-40 -976,5.77 U5.27@-975.79,5.99 ; R9.1@-1007.05,-1095.64 R9.1@-1008.86,-1097.44 -1008.86,-1063.55 -1000,-1054.69 v1(-1000,-1051)
  Bottom Layer w8: v1(-1030,-54) -1029,-55 -1029,-308 -1000,-337 v1(-1000,-1051)
NetR9_2: R9.2 U5.25 | length 1271.2
  Top Layer w8: R9.2@-1043.05,-1097.19 R9.2@-1043.31,-1097.44 -1043.31,-1041.99 -1023.31,-1022 -994,-1022 -977,-1039 v1(-977,-1075) ; v1(-972,-74) -936.42,-38.42 U5.25@-936.42,5.99
  Bottom Layer w8: v1(-977,-1075) -977,-1071.31 -972,-1066.31 v1(-972,-74)
NetR11_2: R11.2 U5.10 | length 137.2
  Top Layer w8: U5.10@-975.79,-312.91 -975.79,-358 -962.6,-371.19 -962.6,-400.04 -934.57,-428.07 R11.2@-934.57,-433.07
NetR15_1: R15.1 X4.4 | length 210.3
  Top Layer w8: R15.1@148.11,-856.3 276.12,-856.3 293.05,-873.23 X4.4@351.38,-873.23
NetR15_2: R15.2 R16.1 R17.2 | length 103.5
  Top Layer w8: R16.1@39.84,-826.77 65.94,-826.77 ; R15.2@88.11,-856.3 88.11,-851.3 65.94,-829.13 65.94,-826.77 ; R17.2@88.11,-797.24 88.11,-802.24 65.94,-824.41 65.94,-826.77
NetR17_1: R17.1 X4.5 | length 213.2
  Top Layer w8: R17.1@148.11,-797.24 267.76,-797.24 291.77,-773.23 X4.5@351.38,-773.23
NetR18_2: R18.2 T1.15 | length 454
  Top Layer w8: T1.15@-580.51,-623.03 v1(-516.73,-623.03) ; R18.2@-196.85,-619.61 v1(-196.85,-570.87)
  Bottom Layer w8: v1(-516.73,-623.03) -249.02,-623.03 v1(-196.85,-570.87)
NetR21_1: R21.1 X4.7 | length 210.4
  Top Layer w8: R21.1@148.11,-590.55 274.45,-590.55 291.77,-573.23 X4.7@351.38,-573.23
NetR21_2: R21.2 R22.1 R23.2 | length 103.5
  Top Layer w8: R22.1@39.84,-620.08 65.94,-620.08 ; R23.2@88.11,-649.61 88.11,-644.61 65.94,-622.44 65.94,-620.08 ; R21.2@88.11,-590.55 88.11,-595.55 65.94,-617.72 65.94,-620.08
NetR23_1: R23.1 X4.8 | length 213.1
  Top Layer w8: R23.1@148.11,-649.61 269.43,-649.61 293.05,-673.23 X4.8@351.38,-673.23
NetR25_1: R25.1 T1.10 | length 449.3
  Top Layer w8: T1.10@-580.51,-873.03 v1(-516.73,-873.03) ; v1(-196.85,-822.83) R25.1@-196.85,-778.03
  Bottom Layer w8: v1(-516.73,-873.03) -466.54,-822.83 v1(-196.85,-822.83)
NetR27_6: R27.6 R27.7 R27.8 U1.13 | length 1196.1
  Top Layer w8: R27.8@1810.04,-612.2 1810.04,-581.46 1814.73,-576.77 1843.01,-576.77 ; v1(1843.01,-551.67) 1843.01,-576.77 ; R27.7@1844.49,-612.2 1844.49,-578.25 1843.01,-576.77 ; R27.6@1875.98,-612.2 1875.98,-581.46 1871.3,-576.77 1843.01,-576.77 ; v1(1921.26,283.47) U1.13@1921.26,344.49
  Bottom Layer w8: v1(1843.01,-551.67) 2011.81,-382.87 2011.81,192.91 v1(1921.26,283.47)
NetU3_2: U3.2 U4.1 | length 418.5
  Top Layer w8: U3.2@-1323.43,844.49 -1323.43,940.36 -1299.21,964.57 -1299.21,1141.73 -1269.68,1171.26 -1260.58,1171.26 -1257.47,1168.15 -1205.74,1168.15 U4.1@-1202.76,1165.16
NetU3_3: U3.3 U4.4 | length 594.3
  Top Layer w8: U3.3@-1373.43,844.49 -1373.43,939.57 -1328.74,984.25 -1328.74,1279.53 -1293.11,1315.16 U4.4@-1202.76,1315.16
RX_N: C25.1 D3.4 R24.1 U5.5 | length 978.7
  Top Layer w7.99: v1@-1276.08,-491.63 v1(-1275.59,-491.14)
  Top Layer w8: v1(-1275.59,-491.14) D3.4@-1275.59,-454.72 ; R24.1@-1121.57,-925.2 -1075.2,-925.2 C25.1@-1075,-925 ; U5.5@-1074.21,-312.91 -1073.52,-313.6 -1073.52,-393.01 v1(-1072.83,-393.7) ; C25.1@-1073.31,-925.2 -1072.83,-925.67 v1(-1072.83,-964.57)
  Bottom Layer w8: v1(-1275.59,-491.14) -1073.82,-491.14 -1072.83,-490.16 ; v1(-1072.83,-964.57) -1072.83,-490.16 ; v1(-1072.83,-393.7) -1072.83,-490.16